# KiCad board Keyboard.kicad_pcb
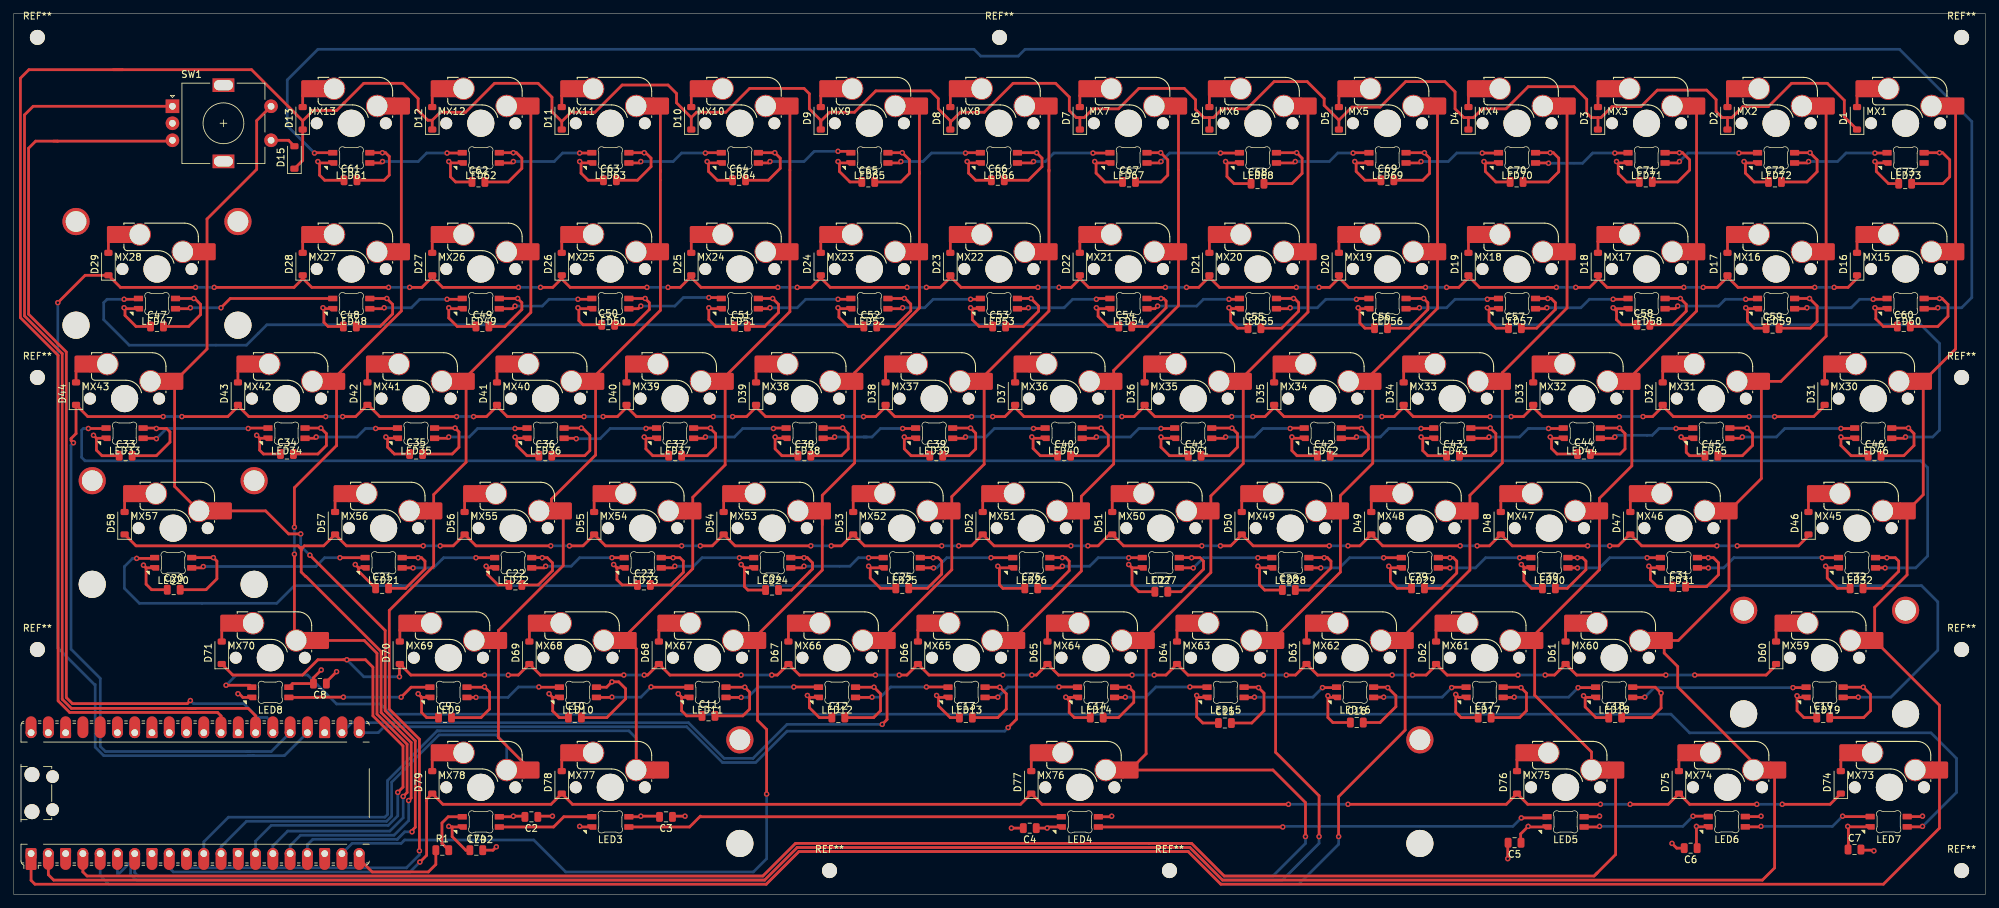
[diagram p0: board, top side]
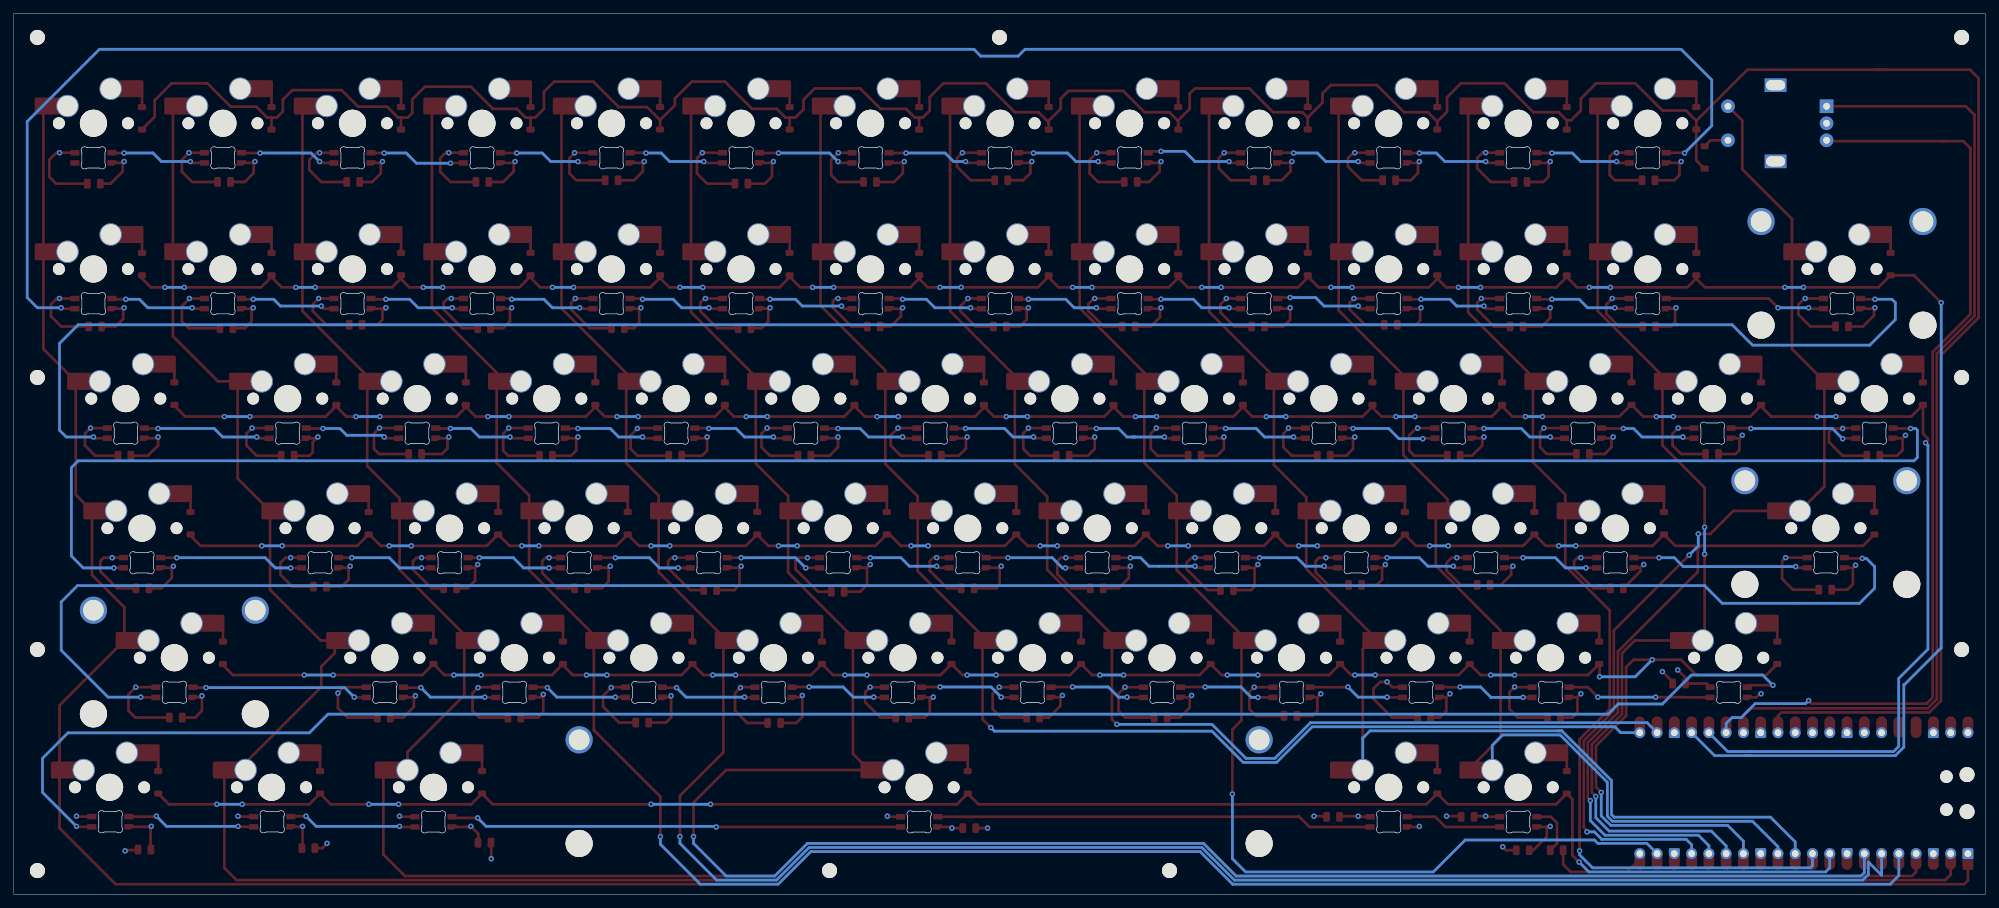
[diagram p1: board, bottom side, seen from below]

Outline 290 x 129.5 mm; copper layers: Top, In1.Cu, In2.Cu, Bottom. Coordinates in mm from the lower left corner of the outline.
Outline path: rectangle 0,129.5 290,0
Stack: Top 0.035mm / dielectric 0.1mm FR4 er 4.5 / In1.Cu 0.035mm / dielectric 1.24mm FR4 er 4.5 / In2.Cu 0.035mm / dielectric 0.1mm FR4 er 4.5 / Bottom 0.035mm

## Placement (name value [footprint] x y rotation side)
A1  RaspberryPi_Pico  [Raspberry PiPico]  23 15.25 90 top
C2  100nF  [C_0805_2012Metric]  76.15 11.4 180 top
C3  100nF  [C_0805_2012Metric]  95.95 11.4 180 top
C4  100nF  [C_0805_2012Metric]  149.45 9.74 180 top
C5  100nF  [C_0805_2012Metric]  220.75 7.6 180 top
C6  100nF  [C_0805_2012Metric]  246.65 6.8 180 top
C7  100nF  [C_0805_2012Metric]  270.75 6.6 0 top
C8  100nF  [C_0805_2012Metric]  45.05 31 180 top
C9  100nF  [C_0805_2012Metric]  63.45 26 0 top
C10  100nF  [C_0805_2012Metric]  82.55 26 0 top
C11  100nF  [C_0805_2012Metric]  102.2 26.25 0 top
C12  100nF  [C_0805_2012Metric]  121.3 26 0 top
C13  100nF  [C_0805_2012Metric]  140.05 26 0 top
C14  100nF  [C_0805_2012Metric]  159.3 26 0 top
C15  100nF  [C_0805_2012Metric]  178.15 25.2 0 top
C16  100nF  [C_0805_2012Metric]  197.55 25.27 0 top
C17  100nF  [C_0805_2012Metric]  216.35 26 0 top
C18  100nF  [C_0805_2012Metric]  235.55 26 0 top
C19  100nF  [C_0805_2012Metric]  266.15 26 0 top
C20  100nF  [C_0805_2012Metric]  23.55 44.8 0 top
C21  100nF  [C_0805_2012Metric]  54.2 45 0 top
C22  100nF  [C_0805_2012Metric]  73.8 45.5 0 top
C23  100nF  [C_0805_2012Metric]  92.7 45.5 0 top
C24  100nF  [C_0805_2012Metric]  111.55 44.75 0 top
C25  100nF  [C_0805_2012Metric]  130.7 45 0 top
C26  100nF  [C_0805_2012Metric]  149.68 45 0 top
C27  100nF  [C_0805_2012Metric]  168.8 44.5 0 top
C28  100nF  [C_0805_2012Metric]  187.55 44.75 0 top
C29  100nF  [C_0805_2012Metric]  206.55 45 0 top
C30  100nF  [C_0805_2012Metric]  225.8 45 0 top
C31  100nF  [C_0805_2012Metric]  244.95 45.25 0 top
C32  100nF  [C_0805_2012Metric]  271.05 45 0 top
C33  100nF  [C_0805_2012Metric]  16.48 64.5 0 top
C34  100nF  [C_0805_2012Metric]  40.2 64.75 0 top
C35  100nF  [C_0805_2012Metric]  59.2 64.75 0 top
C36  100nF  [C_0805_2012Metric]  78.2 64.5 0 top
C37  100nF  [C_0805_2012Metric]  97.3 64.5 0 top
C38  100nF  [C_0805_2012Metric]  116.3 64.5 0 top
C39  100nF  [C_0805_2012Metric]  135.7 64.5 0 top
C40  100nF  [C_0805_2012Metric]  154.5 64.5 0 top
C41  100nF  [C_0805_2012Metric]  173.7 64.5 0 top
C42  100nF  [C_0805_2012Metric]  192.7 64.5 0 top
C43  100nF  [C_0805_2012Metric]  211.7 64.5 0 top
C44  100nF  [C_0805_2012Metric]  230.95 64.75 0 top
C45  100nF  [C_0805_2012Metric]  249.7 64.5 0 top
C46  100nF  [C_0805_2012Metric]  273.7 64.5 0 top
C47  100nF  [C_0805_2012Metric]  21.09 83.5 0 top
C48  100nF  [C_0805_2012Metric]  49.45 83.5 0 top
C49  100nF  [C_0805_2012Metric]  68.95 83.5 0 top
C50  100nF  [C_0805_2012Metric]  87.45 83.75 0 top
C51  100nF  [C_0805_2012Metric]  106.97 83.5 0 top
C52  100nF  [C_0805_2012Metric]  126 83.5 0 top
C53  100nF  [C_0805_2012Metric]  144.95 83.5 0 top
C54  100nF  [C_0805_2012Metric]  163.5 83.5 0 top
C55  100nF  [C_0805_2012Metric]  182.5 83.25 0 top
C56  100nF  [C_0805_2012Metric]  201.11 83.25 0 top
C57  100nF  [C_0805_2012Metric]  220.8 83.25 0 top
C58  100nF  [C_0805_2012Metric]  239.7 83.75 0 top
C59  100nF  [C_0805_2012Metric]  258.7 83.25 0 top
C60  100nF  [C_0805_2012Metric]  278 83.5 0 top
C61  100nF  [C_0805_2012Metric]  49.55 105 0 top
C62  100nF  [C_0805_2012Metric]  68.36 104.75 0 top
C63  100nF  [C_0805_2012Metric]  87.7 105 0 top
C64  100nF  [C_0805_2012Metric]  106.7 105 0 top
C65  100nF  [C_0805_2012Metric]  125.7 104.75 0 top
C66  100nF  [C_0805_2012Metric]  144.75 105 0 top
C67  100nF  [C_0805_2012Metric]  164.05 104.75 0 top
C68  100nF  [C_0805_2012Metric]  182.95 104.5 0 top
C69  100nF  [C_0805_2012Metric]  202.05 105 0 top
C70  100nF  [C_0805_2012Metric]  221.05 104.75 0 top
C71  100nF  [C_0805_2012Metric]  240.05 104.75 0 top
C72  100nF  [C_0805_2012Metric]  259.05 104.75 0 top
C73  100nF  [C_0805_2012Metric]  278.2 104.5 0 top
C74  1000uF  [C_0805_2012Metric]  68.05 6.5 0 top
D1  BAV16W  [D_SOD-123]  271.12 114.11 90 top
D2  BAV16W  [D_SOD-123]  252.07 114.11 90 top
D3  BAV16W  [D_SOD-123]  233.02 114.11 90 top
D4  BAV16W  [D_SOD-123]  213.97 114.11 90 top
D5  BAV16W  [D_SOD-123]  194.92 114.11 90 top
D6  BAV16W  [D_SOD-123]  175.87 114.11 90 top
D7  BAV16W  [D_SOD-123]  156.82 114.11 90 top
D8  BAV16W  [D_SOD-123]  137.77 114.11 90 top
D9  BAV16W  [D_SOD-123]  118.72 114.11 90 top
D10  BAV16W  [D_SOD-123]  99.67 114.11 90 top
D11  BAV16W  [D_SOD-123]  80.62 114.11 90 top
D12  BAV16W  [D_SOD-123]  61.57 114.11 90 top
D13  BAV16W  [D_SOD-123]  42.52 114.11 90 top
D15  BAV16W  [D_SOD-123]  41.3 108.35 90 top
D16  BAV16W  [D_SOD-123]  271.12 92.67 90 top
D17  BAV16W  [D_SOD-123]  252.07 92.67 90 top
D18  BAV16W  [D_SOD-123]  233.02 92.67 90 top
D19  BAV16W  [D_SOD-123]  213.97 92.67 90 top
D20  BAV16W  [D_SOD-123]  194.92 92.67 90 top
D21  BAV16W  [D_SOD-123]  175.87 92.67 90 top
D22  BAV16W  [D_SOD-123]  156.82 92.67 90 top
D23  BAV16W  [D_SOD-123]  137.77 92.67 90 top
D24  BAV16W  [D_SOD-123]  118.72 92.67 90 top
D25  BAV16W  [D_SOD-123]  99.67 92.67 90 top
D26  BAV16W  [D_SOD-123]  80.62 92.67 90 top
D27  BAV16W  [D_SOD-123]  61.57 92.67 90 top
D28  BAV16W  [D_SOD-123]  42.52 92.67 90 top
D29  BAV16W  [D_SOD-123]  13.94 92.67 90 top
D31  BAV16W  [D_SOD-123]  266.36 73.62 90 top
D32  BAV16W  [D_SOD-123]  242.54 73.62 90 top
D33  BAV16W  [D_SOD-123]  223.49 73.62 90 top
D34  BAV16W  [D_SOD-123]  204.44 73.62 90 top
D35  BAV16W  [D_SOD-123]  185.39 73.62 90 top
D36  BAV16W  [D_SOD-123]  166.34 73.62 90 top
D37  BAV16W  [D_SOD-123]  147.29 73.62 90 top
D38  BAV16W  [D_SOD-123]  128.24 73.62 90 top
D39  BAV16W  [D_SOD-123]  109.19 73.62 90 top
D40  BAV16W  [D_SOD-123]  90.14 73.62 90 top
D41  BAV16W  [D_SOD-123]  71.09 73.62 90 top
D42  BAV16W  [D_SOD-123]  52.04 73.62 90 top
D43  BAV16W  [D_SOD-123]  32.99 73.62 90 top
D44  BAV16W  [D_SOD-123]  9.18 73.62 90 top
D46  BAV16W  [D_SOD-123]  263.98 54.58 90 top
D47  BAV16W  [D_SOD-123]  237.78 54.58 90 top
D48  BAV16W  [D_SOD-123]  218.73 54.58 90 top
D49  BAV16W  [D_SOD-123]  199.68 54.58 90 top
D50  BAV16W  [D_SOD-123]  180.63 54.58 90 top
D51  BAV16W  [D_SOD-123]  161.58 54.58 90 top
D52  BAV16W  [D_SOD-123]  142.53 54.58 90 top
D53  BAV16W  [D_SOD-123]  123.48 54.58 90 top
D54  BAV16W  [D_SOD-123]  104.43 54.58 90 top
D55  BAV16W  [D_SOD-123]  85.38 54.58 90 top
D56  BAV16W  [D_SOD-123]  66.33 54.58 90 top
D57  BAV16W  [D_SOD-123]  47.28 54.58 90 top
D58  BAV16W  [D_SOD-123]  16.33 54.58 90 top
D60  BAV16W  [D_SOD-123]  259.21 35.53 90 top
D61  BAV16W  [D_SOD-123]  228.26 35.53 90 top
D62  BAV16W  [D_SOD-123]  209.21 35.53 90 top
D63  BAV16W  [D_SOD-123]  190.16 35.53 90 top
D64  BAV16W  [D_SOD-123]  171.11 35.53 90 top
D65  BAV16W  [D_SOD-123]  152.06 35.53 90 top
D66  BAV16W  [D_SOD-123]  133.01 35.53 90 top
D67  BAV16W  [D_SOD-123]  113.96 35.53 90 top
D68  BAV16W  [D_SOD-123]  94.91 35.53 90 top
D69  BAV16W  [D_SOD-123]  75.86 35.53 90 top
D70  BAV16W  [D_SOD-123]  56.81 35.53 90 top
D71  BAV16W  [D_SOD-123]  30.61 35.53 90 top
D74  BAV16W  [D_SOD-123]  268.74 16.47 90 top
D75  BAV16W  [D_SOD-123]  244.93 16.47 90 top
D76  BAV16W  [D_SOD-123]  221.11 16.47 90 top
D77  BAV16W  [D_SOD-123]  149.68 16.47 90 top
D78  BAV16W  [D_SOD-123]  80.62 16.47 90 top
D79  BAV16W  [D_SOD-123]  61.57 16.47 90 top
LED2  SK6812MINI-E  [LED_MX_6028R]  68.71 15.74 0 top
LED3  SK6812MINI-E  [LED_MX_6028R]  87.76 15.74 0 top
LED4  SK6812MINI-E  [LED_MX_6028R]  156.82 15.74 0 top
LED5  SK6812MINI-E  [LED_MX_6028R]  228.26 15.74 0 top
LED6  SK6812MINI-E  [LED_MX_6028R]  251.96 15.77 0 top
LED7  SK6812MINI-E  [LED_MX_6028R]  275.77 15.77 0 top
LED8  SK6812MINI-E  [LED_MX_6028R]  37.76 34.79 0 top
LED9  SK6812MINI-E  [LED_MX_6028R]  63.95 34.79 0 top
LED10  SK6812MINI-E  [LED_MX_6028R]  83 34.79 0 top
LED11  SK6812MINI-E  [LED_MX_6028R]  102.05 34.79 0 top
LED12  SK6812MINI-E  [LED_MX_6028R]  121.1 34.79 0 top
LED13  SK6812MINI-E  [LED_MX_6028R]  140.15 34.79 0 top
LED14  SK6812MINI-E  [LED_MX_6028R]  159.2 34.79 0 top
LED15  SK6812MINI-E  [LED_MX_6028R]  178.25 34.79 0 top
LED16  SK6812MINI-E  [LED_MX_6028R]  197.3 34.79 0 top
LED17  SK6812MINI-E  [LED_MX_6028R]  216.35 34.79 0 top
LED18  SK6812MINI-E  [LED_MX_6028R]  235.4 34.79 0 top
LED19  SK6812MINI-E  [LED_MX_6028R]  266.36 34.79 0 top
LED20  SK6812MINI-E  [LED_MX_6028R]  23.47 53.84 0 top
LED21  SK6812MINI-E  [LED_MX_6028R]  54.43 53.84 0 top
LED22  SK6812MINI-E  [LED_MX_6028R]  73.47 53.84 0 top
LED23  SK6812MINI-E  [LED_MX_6028R]  92.53 53.84 0 top
LED24  SK6812MINI-E  [LED_MX_6028R]  111.57 53.84 0 top
LED25  SK6812MINI-E  [LED_MX_6028R]  130.62 53.84 0 top
LED26  SK6812MINI-E  [LED_MX_6028R]  149.68 53.84 0 top
LED27  SK6812MINI-E  [LED_MX_6028R]  168.73 53.84 0 top
LED28  SK6812MINI-E  [LED_MX_6028R]  187.77 53.84 0 top
LED29  SK6812MINI-E  [LED_MX_6028R]  206.82 53.84 0 top
LED30  SK6812MINI-E  [LED_MX_6028R]  225.88 53.84 0 top
LED31  SK6812MINI-E  [LED_MX_6028R]  244.93 53.84 0 top
LED32  SK6812MINI-E  [LED_MX_6028R]  271.12 53.84 0 top
LED33  SK6812MINI-E  [LED_MX_6028R]  16.33 72.89 0 top
LED34  SK6812MINI-E  [LED_MX_6028R]  40.14 72.89 0 top
LED35  SK6812MINI-E  [LED_MX_6028R]  59.19 72.89 0 top
LED36  SK6812MINI-E  [LED_MX_6028R]  78.24 72.89 0 top
LED37  SK6812MINI-E  [LED_MX_6028R]  97.29 72.89 0 top
LED38  SK6812MINI-E  [LED_MX_6028R]  116.34 72.89 0 top
LED39  SK6812MINI-E  [LED_MX_6028R]  135.39 72.89 0 top
LED40  SK6812MINI-E  [LED_MX_6028R]  154.44 72.89 0 top
LED41  SK6812MINI-E  [LED_MX_6028R]  173.49 72.89 0 top
LED42  SK6812MINI-E  [LED_MX_6028R]  192.54 72.89 0 top
LED43  SK6812MINI-E  [LED_MX_6028R]  211.59 72.89 0 top
LED44  SK6812MINI-E  [LED_MX_6028R]  230.64 72.89 0 top
LED45  SK6812MINI-E  [LED_MX_6028R]  249.69 72.89 0 top
LED46  SK6812MINI-E  [LED_MX_6028R]  273.5 72.89 0 top
LED47  SK6812MINI-E  [LED_MX_6028R]  21.09 91.94 0 top
LED48  SK6812MINI-E  [LED_MX_6028R]  49.66 91.94 0 top
LED49  SK6812MINI-E  [LED_MX_6028R]  68.71 91.94 0 top
LED50  SK6812MINI-E  [LED_MX_6028R]  87.76 91.94 0 top
LED51  SK6812MINI-E  [LED_MX_6028R]  106.81 91.94 0 top
LED52  SK6812MINI-E  [LED_MX_6028R]  125.86 91.94 0 top
LED53  SK6812MINI-E  [LED_MX_6028R]  144.91 91.94 0 top
LED54  SK6812MINI-E  [LED_MX_6028R]  163.96 91.94 0 top
LED55  SK6812MINI-E  [LED_MX_6028R]  183.01 91.94 0 top
LED56  SK6812MINI-E  [LED_MX_6028R]  202.06 91.94 0 top
LED57  SK6812MINI-E  [LED_MX_6028R]  221.11 91.94 0 top
LED58  SK6812MINI-E  [LED_MX_6028R]  240.16 91.94 0 top
LED59  SK6812MINI-E  [LED_MX_6028R]  259.21 91.94 0 top
LED60  SK6812MINI-E  [LED_MX_6028R]  278.26 91.94 0 top
LED61  SK6812MINI-E  [LED_MX_6028R]  49.66 113.38 0 top
LED62  SK6812MINI-E  [LED_MX_6028R]  68.71 113.38 0 top
LED63  SK6812MINI-E  [LED_MX_6028R]  87.76 113.38 0 top
LED64  SK6812MINI-E  [LED_MX_6028R]  106.81 113.38 0 top
LED65  SK6812MINI-E  [LED_MX_6028R]  125.86 113.38 0 top
LED66  SK6812MINI-E  [LED_MX_6028R]  144.91 113.38 0 top
LED67  SK6812MINI-E  [LED_MX_6028R]  163.96 113.38 0 top
LED68  SK6812MINI-E  [LED_MX_6028R]  183.01 113.38 0 top
LED69  SK6812MINI-E  [LED_MX_6028R]  202.06 113.38 0 top
LED70  SK6812MINI-E  [LED_MX_6028R]  221.11 113.38 0 top
LED71  SK6812MINI-E  [LED_MX_6028R]  240.16 113.38 0 top
LED72  SK6812MINI-E  [LED_MX_6028R]  259.21 113.38 0 top
LED73  SK6812MINI-E  [LED_MX_6028R]  278.26 113.38 0 top
MX1  MX_SW_HS  [SW_MX_HS_CPG151101S11_1u]  278.26 113.38 0 top
MX2  MX_SW_HS  [SW_MX_HS_CPG151101S11_1u]  259.21 113.38 0 top
MX3  MX_SW_HS  [SW_MX_HS_CPG151101S11_1u]  240.16 113.38 0 top
MX4  MX_SW_HS  [SW_MX_HS_CPG151101S11_1u]  221.11 113.38 0 top
MX5  MX_SW_HS  [SW_MX_HS_CPG151101S11_1u]  202.06 113.38 0 top
MX6  MX_SW_HS  [SW_MX_HS_CPG151101S11_1u]  183.01 113.38 0 top
MX7  MX_SW_HS  [SW_MX_HS_CPG151101S11_1u]  163.96 113.38 0 top
MX8  MX_SW_HS  [SW_MX_HS_CPG151101S11_1u]  144.91 113.38 0 top
MX9  MX_SW_HS  [SW_MX_HS_CPG151101S11_1u]  125.86 113.38 0 top
MX10  MX_SW_HS  [SW_MX_HS_CPG151101S11_1u]  106.81 113.38 0 top
MX11  MX_SW_HS  [SW_MX_HS_CPG151101S11_1u]  87.76 113.38 0 top
MX12  MX_SW_HS  [SW_MX_HS_CPG151101S11_1u]  68.71 113.38 0 top
MX13  MX_SW_HS  [SW_MX_HS_CPG151101S11_1u]  49.66 113.38 0 top
MX15  MX_SW_HS  [SW_MX_HS_CPG151101S11_1u]  278.26 91.94 0 top
MX16  MX_SW_HS  [SW_MX_HS_CPG151101S11_1u]  259.21 91.94 0 top
MX17  MX_SW_HS  [SW_MX_HS_CPG151101S11_1u]  240.16 91.94 0 top
MX18  MX_SW_HS  [SW_MX_HS_CPG151101S11_1u]  221.11 91.94 0 top
MX19  MX_SW_HS  [SW_MX_HS_CPG151101S11_1u]  202.06 91.94 0 top
MX20  MX_SW_HS  [SW_MX_HS_CPG151101S11_1u]  183.01 91.94 0 top
MX21  MX_SW_HS  [SW_MX_HS_CPG151101S11_1u]  163.96 91.94 0 top
MX22  MX_SW_HS  [SW_MX_HS_CPG151101S11_1u]  144.91 91.94 0 top
MX23  MX_SW_HS  [SW_MX_HS_CPG151101S11_1u]  125.86 91.94 0 top
MX24  MX_SW_HS  [SW_MX_HS_CPG151101S11_1u]  106.81 91.94 0 top
MX25  MX_SW_HS  [SW_MX_HS_CPG151101S11_1u]  87.76 91.94 0 top
MX26  MX_SW_HS  [SW_MX_HS_CPG151101S11_1u]  68.71 91.94 0 top
MX27  MX_SW_HS  [SW_MX_HS_CPG151101S11_1u]  49.66 91.94 0 top
MX28  MX_SW_HS  [SW_MX_HS_CPG151101S11_1u]  21.09 91.94 0 top
MX30  MX_SW_HS  [SW_MX_HS_CPG151101S11_1.5u]  273.5 72.89 0 top
MX31  MX_SW_HS  [SW_MX_HS_CPG151101S11_1u]  249.69 72.89 0 top
MX32  MX_SW_HS  [SW_MX_HS_CPG151101S11_1u]  230.64 72.89 0 top
MX33  MX_SW_HS  [SW_MX_HS_CPG151101S11_1u]  211.59 72.89 0 top
MX34  MX_SW_HS  [SW_MX_HS_CPG151101S11_1u]  192.54 72.89 0 top
MX35  MX_SW_HS  [SW_MX_HS_CPG151101S11_1u]  173.49 72.89 0 top
MX36  MX_SW_HS  [SW_MX_HS_CPG151101S11_1u]  154.44 72.89 0 top
MX37  MX_SW_HS  [SW_MX_HS_CPG151101S11_1u]  135.39 72.89 0 top
MX38  MX_SW_HS  [SW_MX_HS_CPG151101S11_1u]  116.34 72.89 0 top
MX39  MX_SW_HS  [SW_MX_HS_CPG151101S11_1u]  97.29 72.89 0 top
MX40  MX_SW_HS  [SW_MX_HS_CPG151101S11_1u]  78.24 72.89 0 top
MX41  MX_SW_HS  [SW_MX_HS_CPG151101S11_1u]  59.19 72.89 0 top
MX42  MX_SW_HS  [SW_MX_HS_CPG151101S11_1u]  40.14 72.89 0 top
MX43  MX_SW_HS  [SW_MX_HS_CPG151101S11_1.5u]  16.33 72.89 0 top
MX45  MX_SW_HS  [SW_MX_HS_CPG151101S11_1.75u]  271.12 53.84 0 top
MX46  MX_SW_HS  [SW_MX_HS_CPG151101S11_1u]  244.93 53.84 0 top
MX47  MX_SW_HS  [SW_MX_HS_CPG151101S11_1u]  225.88 53.84 0 top
MX48  MX_SW_HS  [SW_MX_HS_CPG151101S11_1u]  206.82 53.84 0 top
MX49  MX_SW_HS  [SW_MX_HS_CPG151101S11_1u]  187.77 53.84 0 top
MX50  MX_SW_HS  [SW_MX_HS_CPG151101S11_1u]  168.73 53.84 0 top
MX51  MX_SW_HS  [SW_MX_HS_CPG151101S11_1u]  149.68 53.84 0 top
MX52  MX_SW_HS  [SW_MX_HS_CPG151101S11_1u]  130.62 53.84 0 top
MX53  MX_SW_HS  [SW_MX_HS_CPG151101S11_1u]  111.57 53.84 0 top
MX54  MX_SW_HS  [SW_MX_HS_CPG151101S11_1u]  92.53 53.84 0 top
MX55  MX_SW_HS  [SW_MX_HS_CPG151101S11_1u]  73.47 53.84 0 top
MX56  MX_SW_HS  [SW_MX_HS_CPG151101S11_1u]  54.43 53.84 0 top
MX57  MX_SW_HS  [SW_MX_HS_CPG151101S11_1u]  23.47 53.84 0 top
MX59  MX_SW_HS  [SW_MX_HS_CPG151101S11_1u]  266.36 34.79 0 top
MX60  MX_SW_HS  [SW_MX_HS_CPG151101S11_1u]  235.4 34.79 0 top
MX61  MX_SW_HS  [SW_MX_HS_CPG151101S11_1u]  216.35 34.79 0 top
MX62  MX_SW_HS  [SW_MX_HS_CPG151101S11_1u]  197.3 34.79 0 top
MX63  MX_SW_HS  [SW_MX_HS_CPG151101S11_1u]  178.25 34.79 0 top
MX64  MX_SW_HS  [SW_MX_HS_CPG151101S11_1u]  159.2 34.79 0 top
MX65  MX_SW_HS  [SW_MX_HS_CPG151101S11_1u]  140.15 34.79 0 top
MX66  MX_SW_HS  [SW_MX_HS_CPG151101S11_1u]  121.1 34.79 0 top
MX67  MX_SW_HS  [SW_MX_HS_CPG151101S11_1u]  102.05 34.79 0 top
MX68  MX_SW_HS  [SW_MX_HS_CPG151101S11_1u]  83 34.79 0 top
MX69  MX_SW_HS  [SW_MX_HS_CPG151101S11_1u]  63.95 34.79 0 top
MX70  MX_SW_HS  [SW_MX_HS_CPG151101S11_1.75u]  37.76 34.79 0 top
MX73  MX_SW_HS  [SW_MX_HS_CPG151101S11_1.25u]  275.88 15.74 0 top
MX74  MX_SW_HS  [SW_MX_HS_CPG151101S11_1.25u]  252.07 15.74 0 top
MX75  MX_SW_HS  [SW_MX_HS_CPG151101S11_1.25u]  228.26 15.74 0 top
MX76  MX_SW_HS  [SW_MX_HS_CPG151101S11_1u]  156.82 15.74 0 top
MX77  MX_SW_HS  [SW_MX_HS_CPG151101S11_1u]  87.76 15.74 0 top
MX78  MX_SW_HS  [SW_MX_HS_CPG151101S11_1u]  68.71 15.74 0 top
R1  470  [C_0805_2012Metric]  63.05 6.5 0 top
REF**  -  [MountingHole_2.2mm_M2]  3.5 126 0 top
REF**#2  -  [MountingHole_2.2mm_M2]  286.5 76 0 top
REF**#3  -  [MountingHole_2.2mm_M2]  145 126 0 top
REF**#4  -  [MountingHole_2.2mm_M2]  3.5 76 0 top
REF**#5  -  [MountingHole_2.2mm_M2]  286.5 36 0 top
REF**#6  -  [MountingHole_2.2mm_M2]  170 3.5 0 top
REF**#7  -  [MountingHole_2.2mm_M2]  120 3.5 0 top
REF**#8  -  [MountingHole_2.2mm_M2]  3.5 36 0 top
REF**#9  -  [MountingHole_2.2mm_M2]  286.5 126 0 top
REF**#10  -  [MountingHole_2.2mm_M2]  286.5 3.5 0 top
S1  MX_stab  [STAB_MX_P_2u]  21.09 91.94 0 top
S2  MX_stab  [STAB_MX_P_2.25u]  266.36 34.79 0 top
S3  MX_stab  [STAB_MX_P_2.25u]  23.47 53.84 0 top
S4  MX_stab  [STAB_MX_P_6.25u]  156.82 15.74 0 top
SW1  RotaryEncoder_Switch  [RotaryEncoder_Alps_EC11E-Switch_Vertical_H20mm]  23.36 115.88 0 top

## Library data of the parts
A1 = -: Datasheet: https://datasheets.raspberrypi.com/pico/pico-datasheet.pdf; Description: Versatile and inexpensive microcontroller module powered by RP2040 dual-core Arm Cortex-M0+ processor up to 133 MHz, 264kB SRAM, 2MB QSPI flash; also supports Raspberry Pi Pico 2; ki_fp_filters: RaspberryPi?Pico?Common* RaspberryPi?Pico?SMD*
C2-C74 = -: Description: Unpolarized capacitor; ki_fp_filters: C_*
D1-D13 D15-D29 D31-D44 D46-D58 D60-D71 D74-D79 = -: Datasheet: https://www.diodes.com/assets/Datasheets/ds30086.pdf; Description: 75V 0.15A Fast Switching Diode, SOD-123; Sim.Device: D; Sim.Pins: 1=K 2=A; ki_fp_filters: D*SOD?123*
LED2-LED73 = -: Description: Reverse mount adressable LED (WS2812 protocol)
MX1-MX13 MX15-MX28 MX30-MX43 MX45-MX57 MX59-MX70 MX73-MX78 = -: Description: Push button switch, normally open, two pins, 45° tilted, Kailh CPG151101S11 for Cherry MX style switches
R1 = -: Description: Resistor; ki_fp_filters: R_*
S1-S4 = -: Description: Cherry MX-style stabilizer
SW1 = -: Description: Rotary encoder, dual channel, incremental quadrate outputs, with switch; ki_fp_filters: RotaryEncoder*Switch*

## Footprints (pads in the part's own frame, mm; a bottom-side part is the same pattern mirrored in y, then rotated)
C_0805_2012Metric
  rrect 1x1.45 smd: 1(-0.95,0) 2(0.95,0)
D_SOD-123
  rrect 0.9x1.2 smd: 1(-1.65,0) 2(1.65,0)
LED_MX_6028R
  rrect 1.35x0.82 smd: 1(2.725,-4.33) 2(2.725,-5.83) 3(-2.725,-4.33) 4(-2.725,-5.83)
MountingHole_2.2mm_M2
  round 2.2 hole 2.2 unplated: (0,0)
Raspberry PiPico
  round 2.2 hole 2.2 unplated: (-3.085,20.3) (2.365,20.3)
  round 1.85 hole 1.85 unplated: (-2.785,17.27) (2.065,17.27)
  custom 3.2x1.6 smd: 1(-10.05,20.43) 3(-10.05,15.35) 8(-10.05,2.65) 13(-10.05,-10.05) 18(-10.05,-22.75) 23(9.33,-22.75) 28(9.33,-10.05) 33(9.33,2.65) 38(9.33,15.35)
  rrect 1.6x1.6 hole 1: 1(-9.25,20.43)
  rrect 3.2x1.6 smd: 2(-10.05,17.89) 4(-10.05,12.81) 5(-10.05,10.27) 6(-10.05,7.73) 7(-10.05,5.19) 9(-10.05,0.11) 10(-10.05,-2.43) 11(-10.05,-4.97) 12(-10.05,-7.51) 14(-10.05,-12.59) 15(-10.05,-15.13) 16(-10.05,-17.67) 17(-10.05,-20.21) 19(-10.05,-25.29) 20(-10.05,-27.83) 21(9.33,-27.83) 22(9.33,-25.29) 24(9.33,-20.21) 25(9.33,-17.67) 26(9.33,-15.13) 27(9.33,-12.59) 29(9.33,-7.51) 30(9.33,-4.97) 31(9.33,-2.43) 32(9.33,0.11) 34(9.33,5.19) 35(9.33,7.73) 36(9.33,10.27) 37(9.33,12.81) 39(9.33,17.89) 40(9.33,20.43)
  round 1.6 hole 1: 2(-9.25,17.89) 4(-9.25,12.81) 5(-9.25,10.27) 6(-9.25,7.73) 7(-9.25,5.19) 9(-9.25,0.11) 10(-9.25,-2.43) 11(-9.25,-4.97) 12(-9.25,-7.51) 14(-9.25,-12.59) 15(-9.25,-15.13) 16(-9.25,-17.67) 17(-9.25,-20.21) 19(-9.25,-25.29) 20(-9.25,-27.83) 21(8.53,-27.83) 22(8.53,-25.29) 24(8.53,-20.21) 25(8.53,-17.67) 26(8.53,-15.13) 27(8.53,-12.59) 29(8.53,-7.51) 30(8.53,-4.97) 31(8.53,-2.43) 32(8.53,0.11) 34(8.53,5.19) 35(8.53,7.73) 39(8.53,17.89) 40(8.53,20.43)
  custom 1.6x1.6 hole 1: 3(-9.25,15.35) 8(-9.25,2.65) 13(-9.25,-10.05) 18(-9.25,-22.75) 23(8.53,-22.75) 28(8.53,-10.05) 33(8.53,2.65) 38(8.53,15.35)
RotaryEncoder_Alps_EC11E-Switch_Vertical_H20mm
  rect 2x2 hole 1: A(0,0)
  round 2 hole 1: B(0,-5) C(0,-2.5) S1(14.5,-5) S2(14.5,0)
  rect 3.2x2 hole 2.8x1.5: MP(7.5,3.1) MP(7.5,-8.1)
STAB_MX_P_2.25u
  round 4 hole 3.048: (-11.906,6.985) (11.906,6.985)
  round 3.988 hole 3.988 unplated: (-11.906,-8.255) (11.906,-8.255)
STAB_MX_P_2u
  round 4 hole 3.048: (-11.906,6.985) (11.906,6.985)
  round 3.988 hole 3.988 unplated: (-11.906,-8.255) (11.906,-8.255)
STAB_MX_P_6.25u
  round 4 hole 3.048: (-50.006,6.985) (50.006,6.985)
  round 3.988 hole 3.988 unplated: (-50.006,-8.255) (50.006,-8.255)
SW_MX_HS_CPG151101S11_1.5u
  round 1.75 hole 1.75 unplated: (-5.08,0) (5.08,0)
  round 3.988 hole 3.988 unplated: (0,0)
  round 3.3 hole 3: 1(3.81,2.54) 2(-2.54,5.08)
  rect 1.65x2.5 smd: 1(5.635,2.54) 2(-4.34,5.08)
  rrect 2.55x2.5 smd: 1(7.36,2.54) 2(-6.09,5.08)
SW_MX_HS_CPG151101S11_1.25u
  round 1.75 hole 1.75 unplated: (-5.08,0) (5.08,0)
  round 3.988 hole 3.988 unplated: (0,0)
  round 3.3 hole 3: 1(3.81,2.54) 2(-2.54,5.08)
  rect 1.65x2.5 smd: 1(5.635,2.54) 2(-4.34,5.08)
  rrect 2.55x2.5 smd: 1(7.36,2.54) 2(-6.09,5.08)
SW_MX_HS_CPG151101S11_1.75u
  round 1.75 hole 1.75 unplated: (-5.08,0) (5.08,0)
  round 3.988 hole 3.988 unplated: (0,0)
  round 3.3 hole 3: 1(3.81,2.54) 2(-2.54,5.08)
  rect 1.65x2.5 smd: 1(5.635,2.54) 2(-4.34,5.08)
  rrect 2.55x2.5 smd: 1(7.36,2.54) 2(-6.09,5.08)
SW_MX_HS_CPG151101S11_1u
  round 1.75 hole 1.75 unplated: (-5.08,0) (5.08,0)
  round 3.988 hole 3.988 unplated: (0,0)
  round 3.3 hole 3: 1(3.81,2.54) 2(-2.54,5.08)
  rect 1.65x2.5 smd: 1(5.635,2.54) 2(-4.34,5.08)
  rrect 2.55x2.5 smd: 1(7.36,2.54) 2(-6.09,5.08)
